# Allegro board RK3568_Template_DDR4P216SD6_48x32_1600MHZ_V10_20210129GXL.brd (continued)
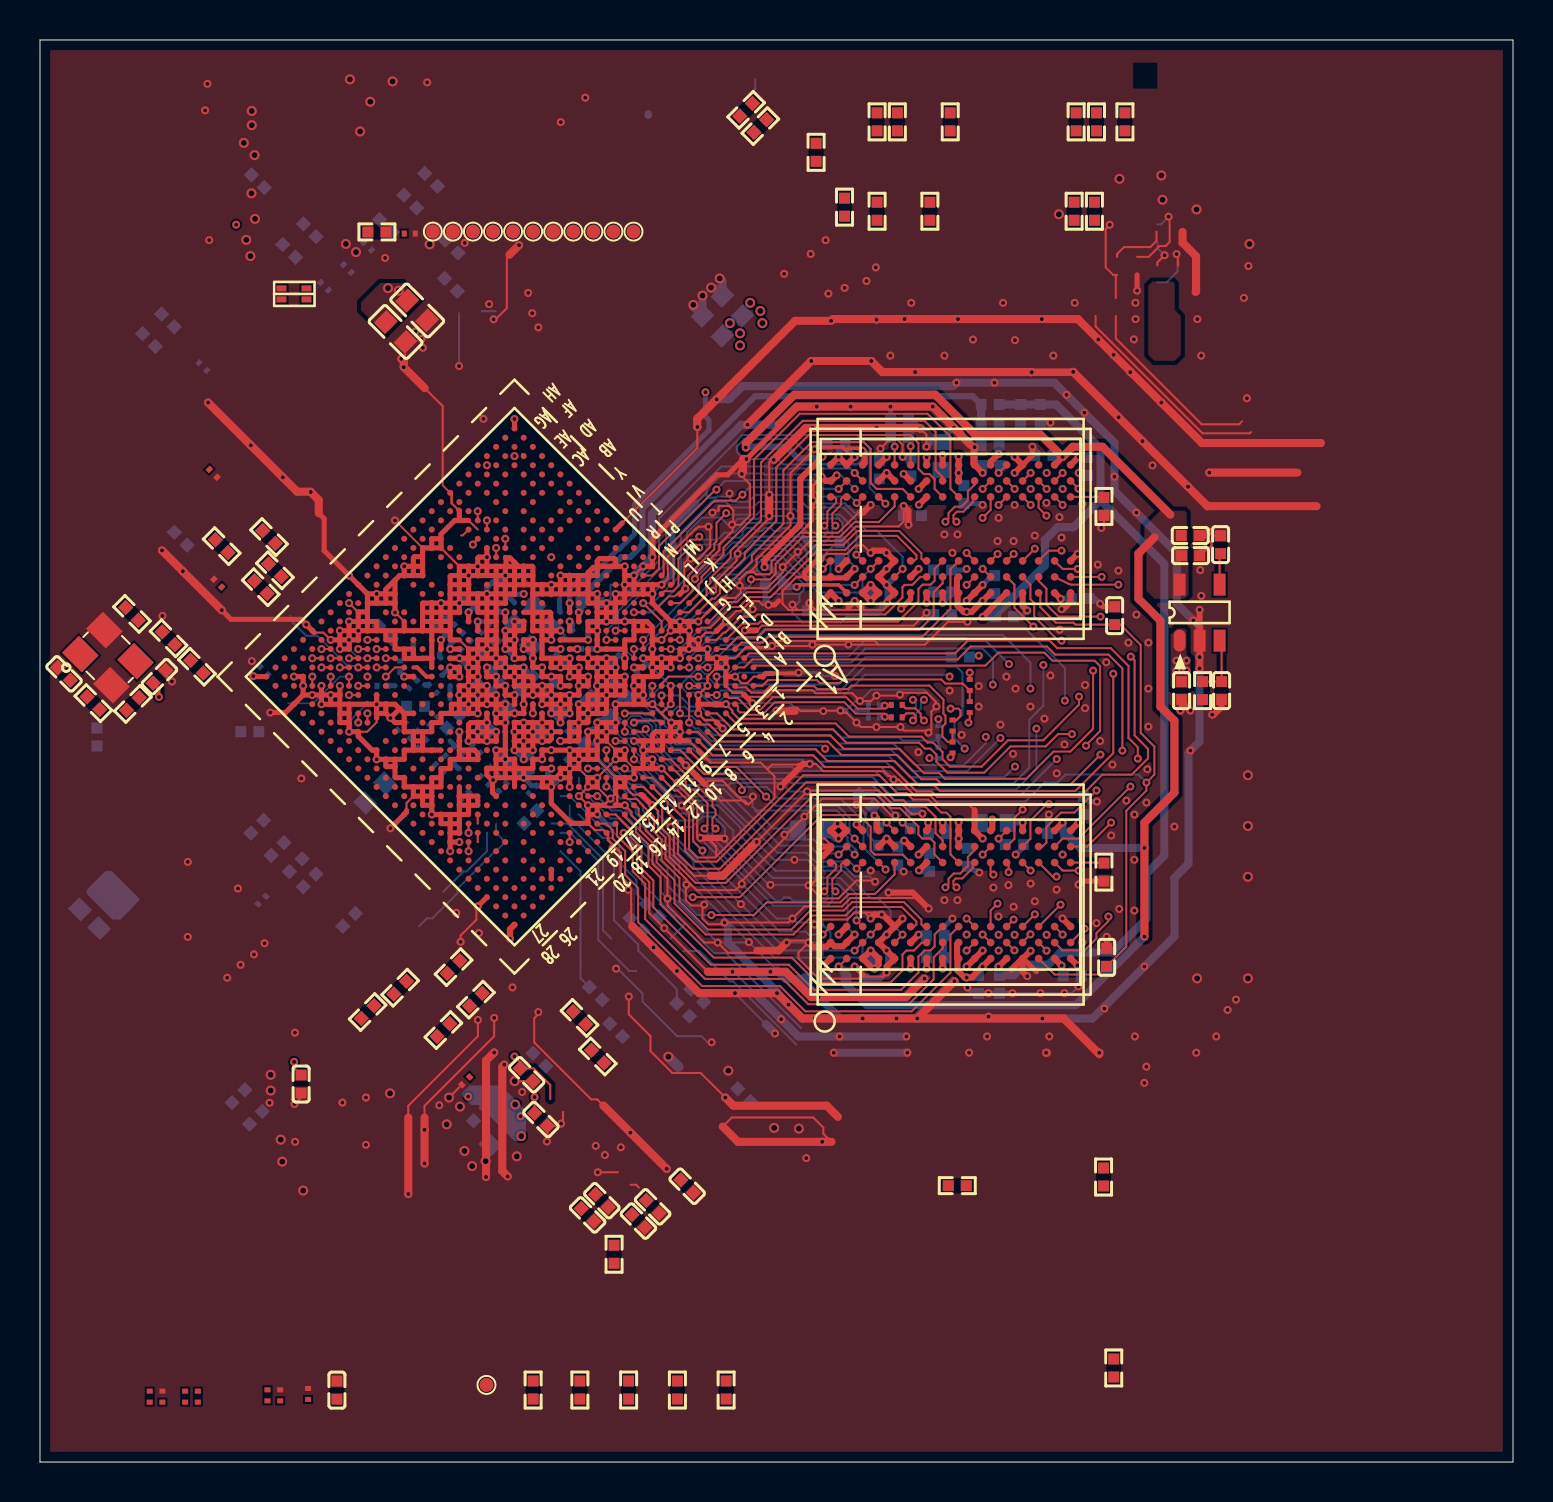
[diagram p0: board, top side]
## Routing (per net, layer and track width the routed paths; a pad name or vN(x,y) marks a point on that pad's centre or on a via; arc(x,y) is an arc through that point) (continued)
VCC3V3_PMU: length 1.9
  TOP w0.2: 18.67,39.74 18.86,39.74 19.32,39.28 U1000.W19
  TOP w0.254: U1000.Y20 v1(18.21,39.28)
  BOTTOM w0.254: C1203.1 18.01,39.48 v1(18.21,39.28)
VCC3V3_SYS:
  vias: v1(56.83,40.08) v1(56.83,39.58) v1(57.33,40.08) v1(57.33,39.58)
VCC25_DDR: length 87.6
  TOP w0.102: U3301.B1 v1(39.94,24.78)
  TOP w0.178: U3300.B1 39.94,43.87 37.94,43.87 v1(37.84,43.77)
  TOP w0.305: v1(39.13,50.28) 38.02,49.17 38.02,46.9 36.23,45.11 v1(36.23,44.76) ; U3300.R9 v1(51.14,50.27) ; U3301.R9 v1(51.14,31.98)
  TOP w0.406: v1(35.3,50.74) 35.3,50.96 37.72,53.38 44.77,53.38 46.77,51.38 50.03,51.38 v1(51.14,50.27) 51.64,50.77 53.14,50.77 56.53,47.38 ; v1(55.23,26.28) v1(55.23,30.71) 55.23,31.98 56.73,33.48 56.73,37.08 56.03,37.78 56.03,42.08 54.93,43.18 54.93,45.44 55.74,46.24
  BOTTOM w0.305: v1(37.84,43.77) 37.29,43.77 C3325.1 37.16,44.09 36.5,44.76 v1(36.23,44.76) ; v1(51.14,50.27) 51.07,50.34 C3326.1 ; v1(39.13,50.28) 39.05,50.2 37.91,50.2 37.33,50.78 35.34,50.78 v1(35.3,50.74)
  BOTTOM w0.406: v1(51.14,31.98) 51.14,31.6 C3328.1 52.02,30.71 v1(55.23,30.71) ; v1(55.23,26.28) 51.8,22.85 41.36,22.85 40.31,23.9 C3327.1 40.31,24.41 v1(39.94,24.78)
VCC_3V3: length 3
  TOP w0.254: U1000.P10 v1(27.41,41.12) ; U1000.V12 v1(23.27,42.5)
  BOTTOM w0.254: v1(23.27,42.5) 23.02,42.5 22.91,42.61 ; C1401.1 20.91,34.68 20.97,34.68 ; v1(27.41,41.12) C1404.1
VCC_DDR: length 67.6
  TOP w0.254: v1(27.86,39.74) U1000.L10 v1(27.4,40.2) ; v1(27.86,39.74) U1000.L9 ; v1(27.86,39.74) 28.33,39.74 28.33,39.74 ; v1(27.86,39.74) U1000.K10 ; 26.49,36.52 U1000.H14 ; 26.49,36.52 U1000.J14 v1(26.95,36.98) ; 26.49,36.52 U1000.H15 ; U1000.H14 26.95,36.1 26.91,36.06 U1000.H15 ; U1000.H14 v1(26.95,36.98) ; U1000.J9 v1(29.24,39.28) 29.25,39.28 29.24,39.27 U1000.H9 ; U1000.J9 28.78,39.68 ; U1000.J9 v1(28.78,39.74) ; U1000.J9 v1(28.33,39.28) ; U1000.J9 28.78,38.82 ; U1000.L9 27.41,40.2 v1(27.4,40.2) ; U1000.L9 v1(28.32,40.2) ; U1000.H9 29.24,38.36 29.24,38.36 28.74,38.36 ; U1000.H9 28.78,38.82 ; 28.78,39.68 28.78,40.13 28.71,40.2 28.33,40.2 28.33,39.74 ; 28.78,39.68 28.73,39.74 28.33,39.74 ; 28.78,38.82 v1(27.86,38.82) ; 28.78,38.82 28.78,38.41 28.74,38.36 ; v1(27.86,38.82) U1000.J11 27.86,38.36 ; v1(27.86,38.82) 27.86,38.82 U1000.K10 ; 27.4,40.66 v1(27.4,40.2) ; v1(27.4,40.2) U1000.M10 ; v1(28.33,39.28) 28.33,39.74 ; v1(28.33,39.28) v1(28.33,38.36) ; v1(28.33,39.28) U1000.K10 ; 27.86,37.9 27.86,38.36 ; 27.86,37.9 U1000.J12 ; 27.86,37.9 U1000.H11 ; 27.86,37.9 U1000.H12 ; 27.86,38.36 v1(28.33,38.36) ; 27.86,38.36 27.51,38.36 27.4,38.36 U1000.J12 ; v1(28.33,38.36) 28.32,38.35 U1000.H11 ; v1(28.33,38.36) 28.74,38.36 ; v1(27.4,37.44) 26.98,37.44 26.95,37.48 ; v1(27.4,37.44) 27.4,37.01 27.37,36.98 v1(26.95,36.98) ; v1(27.4,37.44) 27.41,37.44 U1000.H12 ; v1(27.4,37.44) U1000.J12 ; U1000.H15 26.49,36.06 v1(26.03,36.06) ; U1000.J12 v1(26.95,37.9) 26.95,37.48 ; U1000.H11 28.32,37.48 28.28,37.44 U1000.H12 ; v1(26.95,36.98) 26.95,37.48
  TOP w0.305: v1(41.73,32.33) 41.85,32.21 41.85,31.66 U3301.D9 ; v1(47.94,50.42) 47.54,50.02 U3300.L9 ; v1(39.14,43.07) U3300.A1 v1(39.94,43.07) ; U3301.F8 43.24,31.08 v1(43.21,31.08) ; U3301.L1 v1(47.14,24.78) 46.59,24.23 v1(46.34,24.23) 46.24,24.23 45.88,24.59 45.88,25.12 U3301.J1 45.86,25.26 45.86,25.9 U3301.J2 ; U3301.F2 v1(43.93,26.38) ; v1(44.41,31.98) 44.41,31.66 U3301.G9 ; U3300.G1 v1(44.34,42.98) ; U3300.G7 44.34,48.26 v1(43.95,47.88) ; U3300.D9 v1(42.34,50.27) ; v1(51.04,43.17) U3300.R1 ; v1(45.94,32.01) U3301.J9 v1(45.94,31.18) U3301.J8 ; U3300.T9 v1(51.94,50.27) ; U3300.G9 v1(44.34,50.25) ; U3300.J8 v1(45.94,49.47) U3300.J9 v1(45.94,50.29) ; v1(40.74,50.27) U3300.B9 v1(39.94,50.27) U3300.A9 ; v1(51.09,24.83) U3301.R1 ; v1(47.62,32.13) 47.62,32.12 47.62,31.66 U3301.L9 ; U3300.F8 v1(43.19,49.42) ; U3301.T9 v1(51.94,31.98) ; U3300.B3 v1(39.94,44.67) ; U3301.G7 44.34,29.98 v1(43.95,29.59) ; U3300.F2 v1(43.94,44.67) ; U3300.J2 45.85,44.18 45.85,43.55 U3300.J1 45.88,43.41 45.88,42.82 46.19,42.52 v1(46.34,42.52) 46.59,42.52 v1(47.14,43.07) U3300.L1 ; U3301.G1 v1(44.34,24.68) ; U3301.A1 v1(39.14,24.78) ; U3301.B3 v1(39.94,26.38) ; U3301.A9 39.54,31.59 v1(39.88,31.93) 39.99,31.93 U3301.B9 v1(39.94,31.18) U3301.A9 ; v1(41.54,43.87) U3300.D1 v1(41.54,43.07) U3300.C1 v1(41.54,43.87) ; 41.64,24.68 U3301.C1 v1(41.54,25.58) U3301.D1 41.94,24.88 v1(41.74,24.68) 41.64,24.68
  L3-POWER w0.089: 26.2,35.78 26.16,35.74 26.16,35.51 26.18,35.49 26.18,35.47 26.36,35.29 26.38,35.29 26.46,35.21 26.46,35.19 26.49,35.19 ; 26.27,34.42 26.16,34.53 26.16,34.83 26.18,34.83 26.42,35.07 26.42,35.09 26.53,35.09 ; 26.31,36.1 26.28,36.06 v1(26.03,36.06)
  L3-POWER w0.381: v1(27.4,40.2) v1(28.32,40.2)
  BOTTOM w0.102: C3336.1 42.14,50.07 v1(42.34,50.27)
  BOTTOM w0.305: v1(43.21,31.08) 43.2,31.08 42.9,30.77 C3344.1 ; C3343.1 41.73,32.64 v1(41.73,32.33) ; C3317.1 44,29.54 v1(43.95,29.59) ; v1(40.74,50.27) 40.27,50.74 C3315.1 39.94,50.56 v1(39.94,50.27) ; v1(39.94,31.18) 39.75,31.18 C3308.1 39.59,31.93 v1(39.88,31.93) ; C3340.1 40,44.73 v1(39.94,44.67) ; C3342.1 52.37,50.27 v1(51.94,50.27) ; v1(51.04,43.17) 51.06,43.19 C3313.1 ; C3318.1 47.96,50.44 v1(47.94,50.42)
  vias: v1(26.03,36.06)
VCCA1V8_PMU: length 0.4
  BOTTOM w0.254: C1207.1 17.75,38.82 17.75,38.82
VCCA_1V8: length 0.6
  TOP w0.254: v1(26.87,40.66) 26.49,40.66 U1000.N10
  BOTTOM w0.254: C1212.1 v1(26.87,40.66)
VCCIO_ACODEC: length 6.2
  BOTTOM w0.102: R1900.1 29.82,28.41 29.82,29.12 28.97,29.98 28.97,30.86 28.62,31.21 28.12,31.21 26.95,32.39
VCCIO_FLASH: length 0.9
  TOP w0.254: U1000.H18 v1(25.57,34.68)
  BOTTOM w0.254: C1300.1 25.39,34.51 v1(25.57,34.68)
VDD_CPU: length 14.4
  TOP w0.254: U1000.K16 v1(25.57,36.52) ; U1000.K16 v1(24.65,36.52) ; U1000.K16 v1(25.11,36.06) ; U1000.K16 v1(25.11,36.98) ; v1(25.57,36.52) 25.57,36.17 25.46,36.06 v1(25.11,36.06) ; v1(25.57,36.52) U1000.J15 ; v1(25.57,36.52) U1000.K15 v1(25.11,36.98) ; v1(25.11,36.06) U1000.K17 ; v1(24.65,36.52) U1000.L16 ; v1(24.65,36.52) U1000.L17 ; v1(24.65,36.52) U1000.K17 ; U1000.L16 v1(24.19,36.98) ; U1000.L16 v1(25.11,36.98) ; v1(24.19,36.06) U1000.K18 ; v1(24.19,36.06) U1000.L17 ; v1(24.19,36.06) U1000.L18 ; v1(24.19,36.06) U1000.K17 ; U1000.K18 v1(24.19,35.14) ; U1000.K18 v1(24.65,35.6) U1000.K17 ; U1000.K18 v1(23.73,35.6) U1000.L18 ; U1000.L15 v1(25.11,36.98) ; U1000.L17 v1(23.73,36.52) ; U1000.L17 v1(24.19,36.98) ; v1(24.19,36.98) U1000.M17 v1(23.73,36.52) ; v1(23.73,36.52) U1000.L18
  BOTTOM w0.254: C1000.1 23.98,35.36 v1(23.73,35.6)
  vias: v1(21.41,18.28) v1(24.03,17.29) v2(23.76,17.88) v2(24.06,16.3)
VDD_CPU_COM: length 50.8
  TOP w0.254: v1(24.65,37.44) U1000.M15
  L3-POWER w0.089: 28.77,29.92 28.3,30.39 28.3,31.49 25.7,34.09 25.7,34.36 25.89,34.55 25.89,34.82 25.73,34.98 25.73,35.32 25.89,35.49 25.89,35.74 25.7,35.93 25.7,36.2 25.96,36.46 25.96,36.59 25.17,37.38 24.71,37.38 v1(24.65,37.44)
  L3-POWER w0.102: 21.07,4.79 31.28,4.79 35.67,9.18 35.67,18.33 34.84,19.15 34.84,19.67 34.4,20.11 33.88,20.11 29.57,24.42 29.57,27.22 29.03,27.75 29.03,29.66 28.77,29.92
VDD_GPU: length 37.4
  TOP w0.254: U1000.U13 v1(23.73,41.12) ; U1000.U13 23.27,40.66 ; U1000.U13 v1(23.27,41.58) U1000.U12 ; v1(23.73,41.12) U1000.U12 ; v1(23.73,41.12) U1000.T13 ; U1000.U12 v1(23.73,42.04) U1000.U11 24.19,41.62 24.15,41.58 U1000.U12 ; U1000.R13 v1(23.73,40.2) U1000.T13 ; U1000.T13 23.27,40.66 ; 23.27,40.66 v1(23.27,40.66) 23.27,40.66
  L3-POWER w0.089: 27.95,49.47 23.81,45.34 23.81,45.08 24.05,44.84 24.05,43.74 23.86,43.55 23.86,43.28 24.05,43.09 24.05,42.82 23.86,42.63 23.86,42.17 v1(23.73,42.04)
  L3-POWER w0.102: 16.62,62.95 19.77,59.8 25.15,59.8 28.68,56.27 28.68,50.21 27.95,49.47
  vias: v1(9.81,61.88) v2(17.4,58.71) v2(17.94,58.58)
VDD_LOGIC: length 42.8
  TOP w0.254: 24.19,40.66 U1000.T12 24.65,41.12 v1(24.65,41.12) U1000.R12 ; 24.19,40.66 U1000.R12 ; 24.19,40.66 v1(24.19,40.66) 24.19,40.66 ; U1000.R12 v1(24.65,40.2) U1000.P13 v1(25.11,39.74) U1000.N13 v1(25.57,39.28) U1000.M12 v1(26.03,38.82) U1000.L12 ; v1(22.35,39.74) U1000.T16 v1(22.81,39.28) U1000.R16 v1(23.27,38.82) U1000.P16 v1(23.73,38.36) U1000.N16
  L3-POWER w0.089: v1(26.03,38.82) 26.03,38.36 25.24,37.58 24.97,37.58 24.67,37.88 ; v1(25.57,39.28) 25.57,38.82 24.32,37.58 24.05,37.58 23.73,37.9 v1(23.73,38.36)
  L3-POWER w0.102: v1(26.03,38.82) 26.07,38.86 26.54,38.86 27.26,39.58 27.26,39.87 27.01,40.12 27.01,40.35 27.19,40.53 27.19,40.79 27.09,40.89 27.09,41.25 27.38,41.54 27.38,42.18 27.46,42.26 27.46,42.57 28.65,43.75 28.66,43.75 30.79,45.89 31.11,45.89 33.36,48.14 33.36,48.71 33.89,49.24 34.46,49.24 34.96,49.74 35.51,49.74 35.7,49.93 35.7,50.48 37.82,52.61 37.82,60.62
  BOTTOM w0.102: 22.44,39.51 22.44,39.67 22.42,39.67 v1(22.35,39.74)
  vias: v2(34.5,56.96) v2(35.01,56.45) v2(35.01,55.84) v2(35.51,57.97) v2(36.02,57.57) v2(36.12,56.96)
VDD_NPU: length 28.3
  TOP w0.254: 21.93,36.06 21.89,36.1 v1(21.89,36.52) ; 21.93,36.06 v1(22.35,36.06) ; 21.93,36.06 v1(21.43,36.06) U1000.P20 ; U1000.P20 v1(21.89,36.52) ; U1000.P20 21.43,36.88 21.53,36.98 U1000.P19 ; v1(22.35,36.06) 22.35,36.52 U1000.N19 ; v1(22.35,36.06) U1000.M19 v1(22.81,36.52) U1000.N19 ; U1000.P19 v1(22.35,36.98) ; U1000.P19 v1(21.89,36.52) ; U1000.P18 v1(22.35,36.98) ; v1(22.35,36.98) U1000.N19 ; U1000.N19 v1(21.89,36.52)
  L3-POWER w0.089: 20.05,37.95 19.95,38.05 19.92,38.05 19.65,38.32 19.65,38.5 ; v1(22.81,36.52) 23.27,36.52 23.59,36.85 23.59,37.12 23.4,37.31 ; v1(22.35,36.06) 22.35,35.6 18.13,31.39
  L3-POWER w0.102: 8.76,24.24 10.93,26.41 13.16,26.41 18.13,31.39
VDDA0V9_IMAGE: length 23.9
  TOP w0.254: v1(20.51,39.74) U1000.V17 v1(20.97,39.28) U1000.V18 v1(20.51,39.74)
  L3-POWER w0.305: 11.92,39.45 15.27,36.09 15.71,36.09 18.88,39.27 19.78,39.27 20.25,39.74 v1(20.51,39.74)
  L3-POWER w0.508: 11.92,39.45 11.92,39.81 11.05,40.68 9.25,40.68 5.16,44.77
  BOTTOM w0.254: v1(20.97,39.28) 20.97,39.53 20.76,39.74 v1(20.51,39.74) 20.11,39.34 20.08,39.34
VDDA_0V9: length 0.8
  TOP w0.254: v1(26.03,40.66) 25.57,40.66 U1000.P11
  BOTTOM w0.089: C1209.1 25.82,40.45
  BOTTOM w0.254: 25.82,40.45 v1(26.03,40.66)
4G_PWREN_H_GPIO0_C6: length 0.5
  TOP w0.102: U1000.AD20 v1(16.37,41.12)
BT_REG_ON_H_GPIO2_B7: length 0.5
  TOP w0.102: 21.89,31.01 U1000.H25
DDR4_A0: length 42.2
  TOP w0.102: U1000.B6 33.85,37.44 34.65,36.64 39.66,36.64 40.32,35.97 43.96,35.97 44.25,35.68 44.53,35.68 44.83,35.38 44.83,35.02 45.38,34.48 47.22,34.48 48.53,35.79 50.3,35.79 50.91,36.41 v1(51.6,36.41) ; v1(51.09,45.58) 50.45,45.58 U3300.P3 ; U3301.P3 v1(51.03,27.88)
  L4-S1 w0.102: v1(51.09,45.58) 51.09,44.05 51.75,43.39 51.75,40.35 51.6,40.21 v1(51.6,36.41) 51.6,32.9 52.29,32.22 52.29,31.83 51.49,31.03 51.49,28.33 v1(51.03,27.88)
DDR4_A1: length 44.5
  TOP w0.102: U3301.P7 50.64,29.28 v1(50.83,29.28) ; U3300.P7 49.94,47.72 v1(50.33,47.33) ; U1000.F5 v1(32.46,39.74)
  L4-S1 w0.102: v1(50.33,47.33) 50.73,46.93 50.73,43.97 51.44,43.26 51.44,40.48 51.25,40.29 v1(51.25,38.08) 51.25,36.84 50.85,36.44 50.85,35.64 51.25,35.24 51.25,32.36 51.49,32.13 51.49,31.83 51.19,31.53 50.99,31.53 50.78,31.33 50.78,29.33 v1(50.83,29.28)
  BOTTOM w0.089: 33.74,40.98 33.25,40.98 33.06,40.79 33.05,40.79 32.78,40.53 32.78,40.52 32.46,40.2 32.46,39.74 v1(32.46,39.74)
  BOTTOM w0.102: v1(51.25,38.08) 51.25,39.7 49.29,41.67 36.22,41.67 35.73,41.18 33.93,41.18 33.74,40.98
DDR4_A2: length 44.1
  TOP w0.102: U3301.R3 v1(51.14,26.38) ; U1000.B1 35.77,39.83 47.28,39.83 47.93,40.48 50.23,40.48 50.63,40.08 52.74,40.08 53.01,39.81 53.01,36.56 52.31,35.85 v1(52.31,35.82) ; v1(51.89,44.67) 51.14,44.67 U3300.R3
  L4-S1 w0.102: v1(51.14,26.38) 51.14,26.69 52.9,28.45 52.9,32.47 52.31,33.06 v1(52.31,35.82) 52.31,37.19 52.61,37.5 52.61,37.99 52.4,38.21 52.4,38.45 52.61,38.67 52.61,39.02 52.21,39.42 52.21,39.96 52.36,40.1 52.36,41.99 52.36,43.64 51.89,44.11 v1(51.89,44.67)
DDR4_A3: length 39.9
  TOP w0.102: U1000.F4 v1(32.92,40.2) ; U3300.N7 v1(49.54,47.87) ; U3301.N7 v1(49.54,29.58)
  L4-S1 w0.102: v1(49.54,29.58) 49.79,29.84 49.79,33.25 49.43,33.62 49.43,37.38 49.13,37.68 49.13,37.98 49.53,38.38 v1(49.53,38.68) 49.53,38.88 49.52,38.89 49.52,40.67 50.03,41.18 50.03,42.86 49.62,43.26 49.62,45.27 49.4,45.5 49.4,47.73 v1(49.54,47.87)
  BOTTOM w0.089: v1(32.92,40.2) 33.06,40.33 33.51,40.33 33.74,40.56
  BOTTOM w0.102: v1(49.53,38.68) 49.53,39.98 48.15,41.36 36.43,41.36 35.94,40.87 34.05,40.87 33.74,40.56
DDR4_A4: length 46.4
  TOP w0.102: U1000.D9 30.98,37.08 29.8,37.08 v1(29.7,36.98) ; U3301.N3 v1(49.75,27.39) ; U3300.N3 v1(49.75,45.68)
  L4-S1 w0.102: v1(49.75,45.68) 49.93,45.5 49.93,43.39 50.33,42.98 50.33,40.98 49.82,40.48 49.82,38.98 49.94,38.87 49.94,37.39 49.83,37.28 v1(49.83,36.68) 49.82,36.68 49.82,33.65 50.1,33.38 50.1,28.19 50.1,28.19 50.1,27.74 v1(49.75,27.39)
  BOTTOM w0.089: v1(29.7,36.98) 29.71,36.99 30.43,36.99 30.62,36.8 30.62,36.5 31.64,35.48
  BOTTOM w0.102: 31.64,35.48 32.56,35.48 33.27,34.77 37.6,34.77 37.81,34.56 41.76,34.56 42.68,33.64 48.81,33.64 49.82,34.64 49.82,36.68 v1(49.83,36.68)
DDR4_A5: length 46.5
  TOP w0.102: U1000.B7 33.02,36.88 33.47,36.88 34.02,36.33 39.53,36.33 40.2,35.67 42.99,35.67 44.2,34.45 44.97,34.45 45.25,34.17 49.32,34.17 50.68,35.53 51.52,35.53 52.66,36.67 v1(52.66,39.58) ; U3300.P8 v1(50.34,48.67) ; U3301.P8 50.13,30.78 50.33,30.98 50.33,31.76 51.05,32.48 51.73,32.48 v1(52.83,33.58)
  L4-S1 w0.102: v1(52.83,33.58) 52.66,33.75 52.66,37.11 52.92,37.37 52.92,39.16 52.66,39.41 v1(52.66,39.58) 52.66,43.77 52.24,44.19 52.24,47.26 51.28,48.22 50.79,48.22 v1(50.34,48.67)
DDR4_A6: length 45.3
  TOP w0.102: U1000.A7 33.38,36.52 33.87,36.03 39.41,36.03 40.07,35.36 42.86,35.36 44.08,34.15 44.84,34.15 45.12,33.87 51.51,33.87 v1(53.03,35.38) ; U3301.P2 50.33,25.58 v1(50.33,25.58) ; v1(53.03,42.28) 53.03,42.28 50.93,42.28 50.33,42.88 50.33,43.68 49.94,44.07 U3300.P2
  L4-S1 w0.102: v1(50.33,25.58) 50.74,25.98 51.24,25.98 51.53,26.27 51.53,26.58 53.21,28.26 53.21,33.8 52.97,34.04 52.97,35.32 v1(53.03,35.38) 53.37,35.72 53.37,36.21 52.97,36.61 52.97,36.99 53.22,37.24 53.22,39.5 52.97,39.76 52.97,42.22 v1(53.03,42.28)
DDR4_A7: length 52.9
  TOP w0.102: U3301.R8 51.14,31.18 51.93,31.18 v1(54.53,33.78) ; U3300.R8 v1(51.14,49.47) ; v1(54.55,40.28) 54.74,40.09 54.74,36.34 55.41,35.67 55.41,35.19 54.6,34.38 53.13,34.38 52.01,33.26 44.87,33.26 44.59,33.54 43.82,33.54 42.61,34.75 39.25,34.75 38.66,35.34 33.64,35.34 U1000.A8
  L4-S1 w0.102: v1(54.53,33.78) 54.55,33.8 v1(54.55,40.28) 54.03,40.79 54.03,43.28 53.58,43.73 53.58,47.53 52.03,49.08 51.53,49.08 v1(51.14,49.47)
DDR4_A8: length 49.7
  TOP w0.102: U3301.R2 51.13,25.59 52.24,25.59 52.83,26.18 52.83,26.45 53.43,27.05 v1(53.43,27.28) ; U3300.R2 50.74,44.26 51.46,43.91 arc(51.53,43.89) 51.59,43.88 v1(53.93,43.88) ; U1000.C1 35.46,40.44 45.76,40.44 46.41,41.09 50.48,41.09 50.87,40.71 53.54,40.71 54.43,39.81 54.43,36.21 54.9,35.75 v1(54.9,35.18)
  L4-S1 w0.102: v1(53.43,27.28) 53.43,27.62 54.23,28.42 54.23,32.48 54.9,33.15 v1(54.9,35.18) 54.9,41.11 54.34,41.67 54.34,43.47 v1(53.93,43.88)
DDR4_A9: length 41.9
  TOP w0.102: v1(51.96,38.28) 51.96,37.88 50.17,36.09 48.41,36.09 47.09,34.78 45.5,34.78 45.13,35.15 45.13,35.51 44.65,35.98 44.38,35.98 44.08,36.28 40.45,36.28 39.79,36.94 34.8,36.94 U1000.A5 ; U3300.R7 v1(51.14,47.87) ; v1(51.94,29.58) 51.14,29.58 U3301.R7
  L4-S1 w0.102: v1(51.14,47.87) 51.44,47.57 51.44,44.13 52.05,43.51 52.05,40.22 51.91,40.08 51.91,38.33 v1(51.96,38.28) 51.91,38.23 51.91,36.86 51.96,36.81 51.96,32.98 52.59,32.34 52.59,31.71 51.94,31.05 v1(51.94,29.58)
DDR4_A10: length 39.7
  TOP w0.102: U1000.D6 v1(32.46,36.98) ; U3300.M3 v1(48.69,45.42) ; U3301.M3 v1(48.69,27.13)
  L4-S1 w0.102: v1(48.69,27.13) 49.04,27.48 49.04,27.91 48.83,28.13 48.83,29.8 49.19,30.16 49.19,31.39 48.63,31.94 48.63,32.57 48,33.2 48,36.19 v1(48.03,36.21) 48.38,36.57 48.38,37.13 48.13,37.39 48.13,38.98 47.98,39.13 47.98,40.44 49.01,41.48 49.01,45.01 48.69,45.34 v1(48.69,45.42)
  BOTTOM w0.102: v1(48.03,36.21) 46.36,34.55 43.63,34.55 42.55,35.63 39.81,35.63 39.39,36.05 33.57,36.05 32.93,36.69 32.75,36.69 v1(32.46,36.98)
DDR4_A11: length 45.7
  TOP w0.102: v1(53.09,44.27) U3300.T2 ; U3301.T2 v1(52.23,26.68) ; v1(54.13,35.58) 54.13,39.69 53.44,40.38 50.76,40.38 50.35,40.78 46.53,40.78 45.89,40.14 35.62,40.14 35.22,39.74 U1000.C2
  L4-S1 w0.102: v1(53.09,44.27) 53.27,44.09 53.27,43.61 53.73,43.15 53.73,40.52 54.13,40.12 v1(54.13,35.58) 54.13,34.89 53.92,34.68 53.92,28.54 52.23,26.85 v1(52.23,26.68)
DDR4_A12: length 37.1
  TOP w0.102: U3300.M7 v1(47.94,47.87) ; U3301.M7 48.44,29.88 v1(48.44,29.5) ; U1000.C4 v1(33.84,39.28)
  L4-S1 w0.102: v1(48.44,29.5) 48.44,30.59 48.63,30.79 48.63,31.51 48.33,31.81 48.33,32.44 47.65,33.12 v1(47.65,38.88) 47.63,38.9 47.63,40.53 48.71,41.61 48.71,44.89 48.29,45.31 48.29,47.51 v1(47.94,47.87)
  BOTTOM w0.089: 35.01,39.99 34.3,39.28 v1(33.84,39.28)
  BOTTOM w0.102: 35.01,39.99 40.58,39.99 41.27,40.69 47.12,40.69 47.65,40.16 v1(47.65,38.88)
DDR4_A13: length 48.3
  TOP w0.102: v1(53.56,31.98) 52.36,30.78 U3301.T8 ; U1000.B8 32.91,36.52 33.78,35.65 38.79,35.65 39.38,35.06 42.73,35.06 43.95,33.84 44.72,33.84 45,33.56 51.78,33.56 53.67,35.45 v1(53.67,39.42) ; U3300.T8 51.54,49.07 v1(51.93,48.68)
  L4-S1 w0.102: v1(53.56,31.98) 53.52,32.03 53.52,33.92 53.27,34.17 53.27,35.02 53.67,35.42 53.67,36.33 53.33,36.67 53.33,36.92 53.67,37.26 v1(53.67,39.42) 53.67,40.14 53.38,40.43 53.38,43.06 52.97,43.48 52.97,43.89 52.55,44.31 52.55,48.06 v1(51.93,48.68)
DDR4_A14_WEN: length 39.1
  TOP w0.102: U3300.L2 v1(47.14,44.67) ; U3301.L2 v1(47.14,26.38) ; v1(33.84,38.36) 33.84,38.36 U1000.C5
  L4-S1 w0.102: v1(47.14,44.67) 47.49,44.32 47.49,42.11 46.03,40.65 46.03,39.28 46.19,39.12 46.19,37.41 45.73,36.95 45.73,36.19 v1(46.24,35.68) 46.24,32.63 46.59,32.28 46.59,31.21 47.08,30.73 47.28,30.73 47.49,30.53 47.49,30.21 47.32,30.04 47.32,29.18 47.14,28.99 v1(47.14,26.38)
  BOTTOM w0.102: v1(33.84,38.36) 34.06,38.59 40.04,38.59 41.23,39.78 45.83,39.78 46.13,39.48 46.13,37.38 45.73,36.98 45.73,36.19 v1(46.24,35.68)
DDR4_A15_CASN: length 37.1
  TOP w0.102: v1(49.14,32.63) 48.73,32.22 48.73,31.17 U3301.M8 ; U1000.E4 v1(33.38,39.74) ; U3300.M8 v1(48.74,48.67)
  L4-S1 w0.102: v1(49.14,32.63) 48.3,33.46 48.3,35.76 48.69,36.14 48.69,37.26 48.43,37.51 48.43,38.88 48.69,39.14 48.69,39.68 v1(48.45,39.91) 48.45,40.49 49.32,41.36 49.32,41.97 49.72,42.37 49.72,42.73 49.32,43.13 49.32,45.14 49.09,45.37 49.09,48.02 48.74,48.37 v1(48.74,48.67)
  BOTTOM w0.089: 34.39,40.29 33.97,39.87 33.52,39.87 v1(33.38,39.74)
  BOTTOM w0.102: v1(48.45,39.91) 47.3,41.06 41.22,41.06 40.45,40.29 34.39,40.29
DDR4_A16_RASN: length 35.7
  TOP w0.102: U1000.D5 v1(32.46,38.82) ; U3301.L8 v1(47.14,30.38) ; U3300.L8 v1(47.14,48.67)
  L4-S1 w0.102: v1(47.14,48.67) 46.73,48.26 46.73,41.87 45.72,40.87 45.72,39.52 v1(45.49,39.28) 45.89,38.88 45.89,37.53 45.43,37.07 45.43,35.92 45.89,35.46 45.89,32.55 46.29,32.15 46.29,31.02 46.93,30.38 v1(47.14,30.38)
  BOTTOM w0.089: v1(32.46,38.82) 32.6,38.69 33.06,38.69 33.7,38.04 33.98,38.04 34.22,38.28
  BOTTOM w0.102: 34.22,38.28 40.16,38.28 41.26,39.38 45.39,39.38 v1(45.49,39.28)
DDR4_ACTN: length 39.1
  TOP w0.102: v1(47.88,27.93) 47.54,27.58 U3301.L3 ; U1000.E6 v1(32,37.44) ; U3300.L3 v1(47.88,45.41)
  L4-S1 w0.102: v1(47.88,45.41) 47.88,45.28 48.4,44.76 48.4,41.73 47.3,40.63 v1(47.3,36.27) 47.3,33.04 47.97,32.37 47.97,31.74 48.33,31.38 48.33,31.07 48.13,30.88 48.13,29.99 48.03,29.88 48.03,28.07 v1(47.88,27.93)
  BOTTOM w0.089: 32.92,36.99 32.91,36.99 32.6,37.31 32.14,37.31 v1(32,37.44)
  BOTTOM w0.102: v1(47.3,36.27) 47.3,35.95 46.2,34.85 43.75,34.85 42.68,35.93 39.93,35.93 39.51,36.35 33.69,36.35 33.05,36.99 32.92,36.99
DDR4_BA0: length 44.2
  TOP w0.089: U1000.E11 29.73,36.52
  TOP w0.102: 29.7,36.52 29.73,36.52 30.15,36.52 v1(30.29,36.66) ; v1(51.09,41.08) 50.92,41.08 49.72,42.28 49.72,42.96 49.53,43.15 49.53,43.88 U3300.N2 ; U3301.N2 49.14,26 v1(49.53,26.39)
  L4-S1 w0.102: v1(49.53,26.39) 49.54,26.39 50.48,27.33 50.48,31.83 50.9,32.25 50.9,33.44 50.48,33.86 50.48,35.03 50.6,35.15 v1(50.84,35.15) 50.55,35.45 50.55,36.57 50.89,36.91 50.89,40.35 51.09,40.56 v1(51.09,41.08)
  BOTTOM w0.089: v1(30.29,36.66) 30.28,36.65 30.28,36.48 31.02,35.75 31.02,35.75
  BOTTOM w0.102: v1(50.84,35.15) 49.02,33.33 42.56,33.33 41.63,34.26 37.68,34.26 37.47,34.47 33.15,34.47 32.43,35.18 31.59,35.18 31.02,35.75
DDR4_BA1: length 50.6
  TOP w0.102: U3300.N8 v1(49.54,49.47) ; U1000.E9 v1(29.24,37.44) ; U3301.N8 49.53,31.17 49.53,32.08 50.35,32.9 v1(50.45,32.9)
  L4-S1 w0.102: v1(50.45,32.9) 50.45,33.46 50.18,33.73 50.18,36.63 50.58,37.03 50.58,37.46 50.49,37.55 50.42,37.55 50.33,37.64 50.33,37.77 50.42,37.86 50.49,37.86 50.58,37.95 50.58,38.07 50.49,38.16 50.42,38.16 50.33,38.25 50.33,38.38 50.42,38.47 50.49,38.47 50.58,38.55 50.58,38.73 50.18,39.13 v1(50.18,39.86) 50.18,40.4 50.64,40.86 50.64,43.11 50.23,43.51 50.23,46.47 49.93,46.78 49.93,49.08 v1(49.54,49.47)
  BOTTOM w0.089: 32.26,35.89 32.25,35.88 31.79,35.88 31,36.67 31,36.95 30.58,37.37 30.25,37.37 30.12,37.5 29.3,37.5 v1(29.24,37.44)
  BOTTOM w0.102: v1(50.18,39.86) 50.18,37.83 49.47,37.12 49.47,34.72 48.69,33.94 43.38,33.94 42.3,35.02 38.99,35.02 38.67,35.34 33.28,35.34 32.73,35.89 32.26,35.89
DDR4_BG0: length 43.1
  TOP w0.102: U3300.M2 48.34,44.27 48.73,43.88 48.73,42.73 v1(49.67,41.78) ; U1000.F8 v1(30.62,38.82) ; U3301.M2 v1(48.73,25.59)
  L4-S1 w0.102: v1(49.67,41.78) 49.67,41.28 49.14,40.74 49.14,38.49 48.83,38.18 48.83,37.55 49.01,37.37 49.01,35.03 v1(48.76,34.78) 48.76,33.86 49.49,33.12 49.49,30.03 49.18,29.73 49.18,28.2 49.35,28.04 49.35,26.98 49.09,26.72 49.09,25.95 v1(48.73,25.59)
  BOTTOM w0.089: 32.36,36.2 31.87,36.2 31.24,36.82 31.24,37.2 30.87,37.58 30.49,37.58 30.3,37.77 30.3,38.04 30.31,38.04 30.31,38.05 30.49,38.23 30.49,38.69 v1(30.62,38.82)
  BOTTOM w0.102: 32.36,36.2 32.84,36.2 33.4,35.64 38.8,35.64 39.12,35.32 42.43,35.32 43.5,34.24 48.22,34.24 v1(48.76,34.78)
DDR4_BG1: length 15.5
  TOP w0.102: v1(32.92,39.28) 31.44,39.28 31.08,38.92 U1000.F7
  BOTTOM w0.089: v1(32.92,39.28) 33.02,39.18 33.48,39.18 33.71,38.95 33.72,38.95
  BOTTOM w0.102: 33.72,38.95 33.78,38.89 39.91,38.89 41.28,40.25 R3320.2
DDR4_CKE: length 14.2
  TOP w0.102: R3306.2 R3307.1 45.4,36.01 45.13,36.28 45.13,36.78 45.28,36.93 45.28,37.33 45.18,37.43 45.18,38.13 44.48,38.83 40.58,38.83 40.4,38.65 38.86,38.65 38.71,38.81 36.51,38.81 36.19,38.48 35.57,38.48 35.31,38.74 34.84,38.74 U1000.B3
DDR4_CKE_A: length 10.6
  TOP w0.102: v1(45.53,37.68) 45.93,37.68 46.03,37.58 46.03,37.31 45.83,37.11 R3306.1 ; U3300.K2 v1(46.34,43.87)
  L4-S1 w0.102: v1(45.53,37.68) 45.53,37.68 45.53,38.01 45.13,38.41 45.13,39.43 45.42,39.72 45.42,41 45.83,41.41 45.83,41.66 45.74,41.75 45.42,41.75 45.33,41.84 45.33,41.96 45.42,42.05 45.74,42.05 45.83,42.14 45.83,44.23 45.93,44.33 46.17,44.33 46.34,44.17 v1(46.34,43.87)
DDR4_CKE_B: length 11.1
  TOP w0.102: v1(45.53,35.25) 45.63,35.34 R3307.2 ; U3301.K2 v1(46.34,25.58)
  L4-S1 w0.102: v1(45.53,35.25) 45.53,35.22 45.53,35.22 45.53,31.09 46.43,30.19 46.43,29.31 46.69,29.05 46.69,25.93 v1(46.34,25.58)
DDR4_CLKN: length 9.4
  TOP w0.097: U1000.A4 34.8,37.9 34.9,37.8 34.9,37.58 34.99,37.49 35.23,37.49 35.35,37.37 36.12,37.37 36.75,38 40.22,38 40.79,37.43 42.14,37.43 42.24,37.33 v1(42.24,37.28) 42.28,37.24 R3305.1
  BOTTOM w0.097: R3305.1 42.53,37.28 v1(42.24,37.28) 42.02,37.28 R3301.1
DDR4_CLKN_A: length 15.2
  TOP w0.097: v1(45.28,47.03) 45.43,47.18 45.43,47.46 45.75,47.78 46.08,47.78 46.4,48.1 46.4,48.54 46.74,48.88 U3300.K8
  L4-S1 w0.097: v1(44.2,38.12) 44.05,38.27 44.05,39.96 43.83,40.18 43.83,43.28 44.63,44.08 44.63,47.03 45.03,47.43 45.33,47.43 45.43,47.33 45.43,47.18 v1(45.28,47.03)
  BOTTOM w0.097: v1(44.2,38.12) 44.05,37.97 44.05,37.68 43.81,37.44 43.32,37.44 R3304.1
DDR4_CLKN_B: length 15.7
  TOP w0.097: v1(45.28,28.74) 45.43,28.89 45.43,29.17 45.69,29.44 46.02,29.44 46.4,29.81 46.4,30.26 46.74,30.6 U3301.K8 ; R3305.2 43.32,37.45 43.67,37.45 43.79,37.32 43.79,37.23 v1(43.65,37.09)
  L4-S1 w0.097: v1(43.65,37.09) 43.8,36.93 43.8,36.38 43.62,36.19 43.04,36.19 42.72,35.87 42.72,35.09 43.18,34.63 43.49,34.63 43.58,34.54 43.58,34.42 43.49,34.34 43.31,34.34 43.08,34.11 43.08,33.78 43.31,33.55 43.49,33.55 43.58,33.47 43.58,33.35 43.49,33.26 43.31,33.26 43.08,33.03 43.08,32.63 43.6,32.1 43.6,31.21 45.43,29.38 45.43,28.89 v1(45.28,28.74)
DDR4_CLKP: length 9.8
  TOP w0.097: U1000.B4 34.45,38.21 34.89,38.21 35.16,37.94 35.48,37.62 36.02,37.62 36.64,38.25 40.32,38.25 40.89,37.68 42.09,37.68 v1(42.24,37.83) 42.28,37.86 R3303.1
  BOTTOM w0.097: R3300.1 42.02,37.83 v1(42.24,37.83) 42.53,37.83 R3303.1
DDR4_CLKP_A: length 14.7
  TOP w0.097: U3300.K7 46.65,48.18 46.65,48 46.18,47.53 45.85,47.53 45.68,47.35 45.68,47.18 v1(45.83,47.03)
  L4-S1 w0.097: v1(45.83,47.03) 45.68,47.18 45.68,47.44 45.43,47.68 44.93,47.68 44.38,47.13 44.38,44.18 43.58,43.38 43.58,40.08 43.8,39.85 43.8,38.27 v1(43.65,38.12)